# KiCad board Lime_RFE.kicad_pcb (continued)
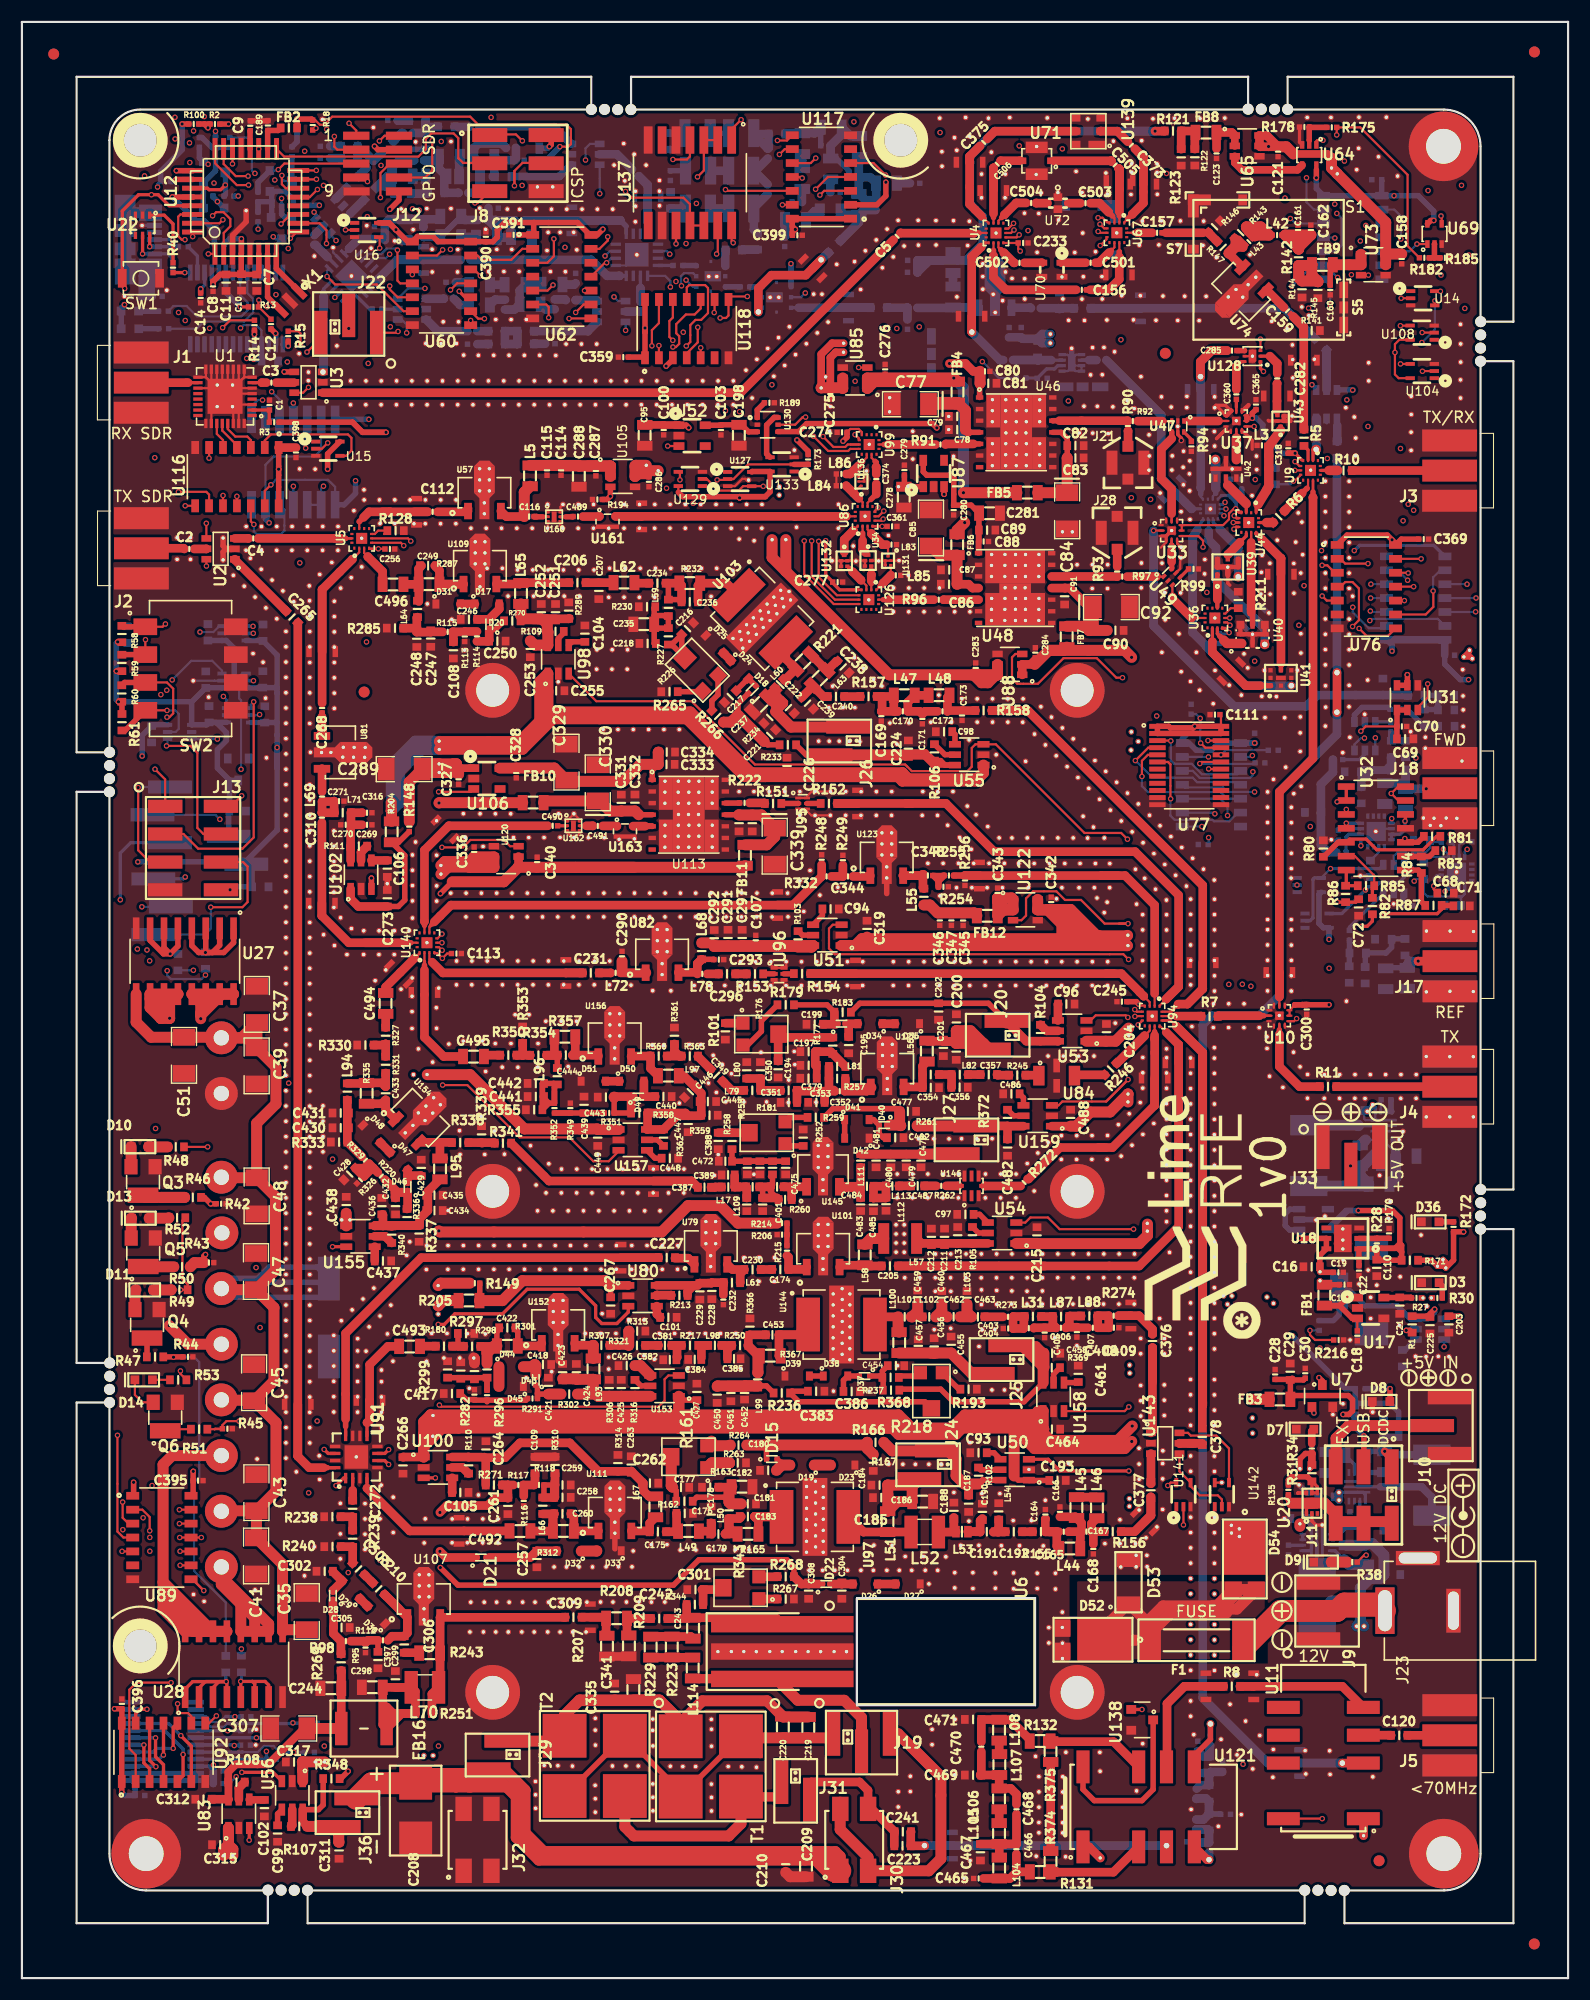
[diagram p0: board, top side]
## Nets (continued)
GND_VIA#1275.1 GND_VIA#1276.1 GND_VIA#1277.1 GND_VIA#1278.1 GND_VIA#1279.1 GND_VIA#1284.1 GND_VIA#1285.1 GND_VIA#1286.1 GND_VIA#1287.1 GND_VIA#1288.1 GND_VIA#1289.1 GND_VIA#1290.1 GND_VIA#1291.1 GND_VIA#1292.1 GND_VIA#1293.1 GND_VIA#1294.1 GND_VIA#1295.1 GND_VIA#1296.1 GND_VIA#1297.1 GND_VIA#1298.1 GND_VIA#1299.1 GND_VIA#1300.1 GND_VIA#1301.1 GND_VIA#1302.1 GND_VIA#1303.1 GND_VIA#1304.1 GND_VIA#1305.1 GND_VIA#1306.1 GND_VIA#1307.1 GND_VIA#1308.1 GND_VIA#1309.1 GND_VIA#1310.1 GND_VIA#1311.1 GND_VIA#1312.1 GND_VIA#1313.1 GND_VIA#1314.1 GND_VIA#1315.1 GND_VIA#1316.1 GND_VIA#1317.1 GND_VIA#1318.1 GND_VIA#1319.1 GND_VIA#1320.1 GND_VIA#1321.1 GND_VIA#1322.1 GND_VIA#1323.1 GND_VIA#1324.1 GND_VIA#1325.1 GND_VIA#1326.1 GND_VIA#1327.1 GND_VIA#1328.1 GND_VIA#1329.1 GND_VIA#1330.1 GND_VIA#1331.1 GND_VIA#1332.1 GND_VIA#1333.1 GND_VIA#1334.1 GND_VIA#1335.1 GND_VIA#1336.1 GND_VIA#1337.1 GND_VIA#1338.1 GND_VIA#1339.1 GND_VIA#1340.1 GND_VIA#1341.1 GND_VIA#1342.1 GND_VIA#1343.1 GND_VIA#1344.1 GND_VIA#1345.1 GND_VIA#1346.1 GND_VIA#1347.1 GND_VIA#1348.1 GND_VIA#1349.1 GND_VIA#1350.1 GND_VIA#1351.1 GND_VIA#1352.1 GND_VIA#1353.1 GND_VIA#1354.1 GND_VIA#1355.1 GND_VIA#1356.1 GND_VIA#1357.1 GND_VIA#1358.1 GND_VIA#1359.1 GND_VIA#1360.1 GND_VIA#1361.1 GND_VIA#1362.1 GND_VIA#1363.1 GND_VIA#1364.1 GND_VIA#1365.1 GND_VIA#1373.1 GND_VIA#1390.1 GND_VIA#1391.1 GND_VIA#1392.1 GND_VIA#1393.1 GND_VIA#1394.1 GND_VIA#1395.1 GND_VIA#1396.1 GND_VIA#1397.1 GND_VIA#1398.1 GND_VIA#1399.1 GND_VIA#1400.1 GND_VIA#1401.1 GND_VIA#1402.1 GND_VIA#1403.1 GND_VIA#1404.1 GND_VIA#1405.1 GND_VIA#1408.1 GND_VIA#1409.1 GND_VIA#1410.1 GND_VIA#1411.1 GND_VIA#1412.1 GND_VIA#1413.1 GND_VIA#1414.1 GND_VIA#1415.1 GND_VIA#1416.1 GND_VIA#1417.1 GND_VIA#1418.1 GND_VIA#1419.1 GND_VIA#1420.1 GND_VIA#1423.1 GND_VIA#1424.1 GND_VIA#1429.1 GND_VIA#1430.1 GND_VIA#1431.1 GND_VIA#1432.1 GND_VIA#1433.1 GND_VIA#1434.1 GND_VIA#1435.1 GND_VIA#1436.1 GND_VIA#1437.1 GND_VIA#1438.1 GND_VIA#1439.1 GND_VIA#1440.1 GND_VIA#1441.1 GND_VIA#1442.1 GND_VIA#1443.1 GND_VIA#1444.1 GND_VIA#1445.1 GND_VIA#1446.1 GND_VIA#1447.1 GND_VIA#1448.1 GND_VIA#1449.1 GND_VIA#1450.1 GND_VIA#1451.1 GND_VIA#1452.1 GND_VIA#1453.1 GND_VIA#1454.1 GND_VIA#1455.1 GND_VIA#1456.1 GND_VIA#1457.1 GND_VIA#1458.1 GND_VIA#1461.1 GND_VIA#1462.1 GND_VIA#1463.1 GND_VIA#1464.1 GND_VIA#1465.1 GND_VIA#1466.1 GND_VIA#1467.1 GND_VIA#1468.1 GND_VIA#1469.1 GND_VIA#1470.1 GND_VIA#1471.1 GND_VIA#1472.1 GND_VIA#1473.1 GND_VIA#1474.1 GND_VIA#1475.1 GND_VIA#1476.1 GND_VIA#1477.1 GND_VIA#1478.1 GND_VIA#1479.1 GND_VIA#1480.1 GND_VIA#1481.1 GND_VIA#1482.1 GND_VIA#1483.1 GND_VIA#1484.1 GND_VIA#1485.1 GND_VIA#1486.1 GND_VIA#1487.1 GND_VIA#1488.1 GND_VIA#1489.1 GND_VIA#1490.1 GND_VIA#1491.1 GND_VIA#1492.1 GND_VIA#1493.1 GND_VIA#1494.1 GND_VIA#1495.1 GND_VIA#1496.1 GND_VIA#1497.1 GND_VIA#1498.1 GND_VIA#1499.1 GND_VIA#1500.1 GND_VIA#1501.1 GND_VIA#1502.1 GND_VIA#1503.1 GND_VIA#1504.1 GND_VIA#1505.1 GND_VIA#1506.1 GND_VIA#1507.1 GND_VIA#1508.1 GND_VIA#1509.1 GND_VIA#1510.1 GND_VIA#1511.1 GND_VIA#1512.1 GND_VIA#1513.1 GND_VIA#1514.1 GND_VIA#1515.1 GND_VIA#1516.1 GND_VIA#1517.1 GND_VIA#1518.1 GND_VIA#1519.1 GND_VIA#1520.1 GND_VIA#1521.1 GND_VIA#1522.1 GND_VIA#1523.1 GND_VIA#1524.1 GND_VIA#1525.1 GND_VIA#1526.1 GND_VIA#1527.1 GND_VIA#1528.1 GND_VIA#1529.1 GND_VIA#1530.1 GND_VIA#1531.1 GND_VIA#1532.1 GND_VIA#1533.1 GND_VIA#1534.1 GND_VIA#1535.1 GND_VIA#1536.1 GND_VIA#1537.1 GND_VIA#1538.1 GND_VIA#1539.1 GND_VIA#1540.1 GND_VIA#1541.1 GND_VIA#1542.1 GND_VIA#1543.1 GND_VIA#1544.1 GND_VIA#1545.1 GND_VIA#1546.1 GND_VIA#1547.1 GND_VIA#1548.1 GND_VIA#1549.1 GND_VIA#1550.1 GND_VIA#1551.1 GND_VIA#1552.1 GND_VIA#1553.1 GND_VIA#1554.1 GND_VIA#1555.1 GND_VIA#1556.1 GND_VIA#1557.1 GND_VIA#1558.1 GND_VIA#1559.1 GND_VIA#1560.1 GND_VIA#1561.1 GND_VIA#1562.1 GND_VIA#1563.1 GND_VIA#1564.1 GND_VIA#1565.1 GND_VIA#1566.1 GND_VIA#1567.1 GND_VIA#1568.1 GND_VIA#1569.1 GND_VIA#1570.1 GND_VIA#1571.1 GND_VIA#1572.1 GND_VIA#1573.1 GND_VIA#1574.1 GND_VIA#1575.1 GND_VIA#1576.1 GND_VIA#1577.1 GND_VIA#1578.1 GND_VIA#1579.1 GND_VIA#1580.1 GND_VIA#1581.1 GND_VIA#1582.1 GND_VIA#1583.1 GND_VIA#1584.1 GND_VIA#1585.1 GND_VIA#1586.1 GND_VIA#1587.1 GND_VIA#1588.1 GND_VIA#1589.1 GND_VIA#1590.1 GND_VIA#1591.1 GND_VIA#1592.1 GND_VIA#1593.1 GND_VIA#1594.1 GND_VIA#1595.1 GND_VIA#1596.1 GND_VIA#1597.1 GND_VIA#1598.1 GND_VIA#1599.1 GND_VIA#1600.1 GND_VIA#1601.1 GND_VIA#1602.1 GND_VIA#1603.1 GND_VIA#1604.1 GND_VIA#1605.1 GND_VIA#1606.1 GND_VIA#1607.1 GND_VIA#1608.1 GND_VIA#1609.1 GND_VIA#1610.1 GND_VIA#1611.1 GND_VIA#1612.1 GND_VIA#1613.1 GND_VIA#1614.1 GND_VIA#1615.1 GND_VIA#1616.1 GND_VIA#1617.1 GND_VIA#1618.1 GND_VIA#1619.1 GND_VIA#1620.1 GND_VIA#1621.1 GND_VIA#1622.1 GND_VIA#1623.1 GND_VIA#1624.1 GND_VIA#1625.1 GND_VIA#1626.1 GND_VIA#1627.1 GND_VIA#1628.1 GND_VIA#1629.1 GND_VIA#1630.1 GND_VIA#1631.1 GND_VIA#1632.1 GND_VIA#1633.1 GND_VIA#1634.1 GND_VIA#1635.1 GND_VIA#1636.1 GND_VIA#1637.1 GND_VIA#1638.1 GND_VIA#1639.1 GND_VIA#1640.1 GND_VIA#1641.1 GND_VIA#1642.1 GND_VIA#1643.1 GND_VIA#1644.1 GND_VIA#1645.1 GND_VIA#1646.1 GND_VIA#1647.1 GND_VIA#1648.1 GND_VIA#1649.1 GND_VIA#1650.1 GND_VIA#1651.1 GND_VIA#1652.1 GND_VIA#1653.1 GND_VIA#1654.1 GND_VIA#1655.1 GND_VIA#1656.1 GND_VIA#1657.1 GND_VIA#1658.1 GND_VIA#1659.1 GND_VIA#1663.1 GND_VIA#1664.1 GND_VIA#1665.1 GND_VIA#1666.1 GND_VIA#1667.1 GND_VIA#1668.1 GND_VIA#1669.1 GND_VIA#1670.1 GND_VIA#1671.1 GND_VIA#1672.1 GND_VIA#1673.1 GND_VIA#1674.1 GND_VIA#1675.1 GND_VIA#1676.1 GND_VIA#1677.1 GND_VIA#1678.1 GND_VIA#1679.1 GND_VIA#1680.1 GND_VIA#1681.1 GND_VIA#1682.1 GND_VIA#1683.1 GND_VIA#1684.1 GND_VIA#1685.1 GND_VIA#1686.1 GND_VIA#1687.1 GND_VIA#1688.1 GND_VIA#1689.1 GND_VIA#1690.1 GND_VIA#1691.1 GND_VIA#1692.1 GND_VIA#1693.1 GND_VIA#1694.1 GND_VIA#1695.1 GND_VIA#1696.1 GND_VIA#1697.1 GND_VIA#1698.1 GND_VIA#1699.1 GND_VIA#1700.1 GND_VIA#1701.1 GND_VIA#1702.1 GND_VIA#1703.1 GND_VIA#1704.1 GND_VIA#1705.1 GND_VIA#1706.1 GND_VIA#1707.1 GND_VIA#1708.1 GND_VIA#1709.1 GND_VIA#1710.1 GND_VIA#1711.1 GND_VIA#1712.1 GND_VIA#1713.1 GND_VIA#1714.1 GND_VIA#1715.1 GND_VIA#1716.1 GND_VIA#1717.1 GND_VIA#1718.1 GND_VIA#1719.1 GND_VIA#1720.1 GND_VIA#1721.1 GND_VIA#1722.1 GND_VIA#1723.1 GND_VIA#1724.1 GND_VIA#1725.1 GND_VIA#1726.1 GND_VIA#1727.1 GND_VIA#1728.1 GND_VIA#1729.1 GND_VIA#1730.1 GND_VIA#1731.1 GND_VIA#1732.1 GND_VIA#1733.1 GND_VIA#1734.1 GND_VIA#1735.1 GND_VIA#1736.1 GND_VIA#1737.1 GND_VIA#1738.1 GND_VIA#1739.1 GND_VIA#1740.1 GND_VIA#1741.1 GND_VIA#1742.1 GND_VIA#1743.1 GND_VIA#1744.1 GND_VIA#1745.1 GND_VIA#1746.1 GND_VIA#1747.1 GND_VIA#1748.1 GND_VIA#1749.1 GND_VIA#1750.1 GND_VIA#1751.1 GND_VIA#1752.1 GND_VIA#1753.1 GND_VIA#1754.1 GND_VIA#1755.1 GND_VIA#1756.1 GND_VIA#1757.1 GND_VIA#1758.1 GND_VIA#1759.1 GND_VIA#1760.1 GND_VIA#1761.1 GND_VIA#1762.1 GND_VIA#1763.1 GND_VIA#1764.1 GND_VIA#1765.1 GND_VIA#1766.1 GND_VIA#1767.1 GND_VIA#1768.1 GND_VIA#1769.1 GND_VIA#1770.1 GND_VIA#1771.1 GND_VIA#1772.1 GND_VIA#1773.1 GND_VIA#1774.1 GND_VIA#1775.1 GND_VIA#1776.1 GND_VIA#1777.1 GND_VIA#1778.1 GND_VIA#1779.1 GND_VIA#1780.1 GND_VIA#1781.1 GND_VIA#1782.1 GND_VIA#1783.1 GND_VIA#1784.1 GND_VIA#1785.1 GND_VIA#1786.1 GND_VIA#1787.1 GND_VIA#1788.1 GND_VIA#1789.1 GND_VIA#1790.1 GND_VIA#1791.1 GND_VIA#1792.1 GND_VIA#1793.1 GND_VIA#1794.1 GND_VIA#1795.1 GND_VIA#1796.1 GND_VIA#1797.1 GND_VIA#1798.1 GND_VIA#1799.1 GND_VIA#1800.1 GND_VIA#1801.1 GND_VIA#1802.1 GND_VIA#1803.1 GND_VIA#1804.1 GND_VIA#1805.1 GND_VIA#1806.1 GND_VIA#1807.1 GND_VIA#1808.1 GND_VIA#1809.1 GND_VIA#1810.1 GND_VIA#1811.1 GND_VIA#1812.1 GND_VIA#1813.1 GND_VIA#1814.1 GND_VIA#1815.1 GND_VIA#1816.1 GND_VIA#1817.1 GND_VIA#1818.1 GND_VIA#1819.1 GND_VIA#1820.1 GND_VIA#1821.1 GND_VIA#1822.1 GND_VIA#1823.1 GND_VIA#1824.1 GND_VIA#1825.1 GND_VIA#1826.1 GND_VIA#1827.1 GND_VIA#1828.1 GND_VIA#1829.1 GND_VIA#1830.1 GND_VIA#1831.1 GND_VIA#1832.1 GND_VIA#1833.1 GND_VIA#1834.1 GND_VIA#1835.1 GND_VIA#1836.1 GND_VIA#1837.1 GND_VIA#1838.1 GND_VIA#1839.1 GND_VIA#1840.1 GND_VIA#1841.1 GND_VIA#1842.1 GND_VIA#1843.1 GND_VIA#1844.1 GND_VIA#1845.1 GND_VIA#1846.1 GND_VIA#1847.1 GND_VIA#1848.1 GND_VIA#1849.1 GND_VIA#1850.1 GND_VIA#1851.1 GND_VIA#1852.1 GND_VIA#1853.1 GND_VIA#1854.1 GND_VIA#1855.1 GND_VIA#1856.1 GND_VIA#1857.1 GND_VIA#1858.1 GND_VIA#1859.1 GND_VIA#1860.1 GND_VIA#1861.1 GND_VIA#1862.1 GND_VIA#1863.1 GND_VIA#1864.1 GND_VIA#1865.1 GND_VIA#1866.1 GND_VIA#1867.1 GND_VIA#1868.1 GND_VIA#1869.1 GND_VIA#1870.1 GND_VIA#1871.1 GND_VIA#1872.1 GND_VIA#1873.1 GND_VIA#1874.1 GND_VIA#1875.1 GND_VIA#1876.1 GND_VIA#1877.1 GND_VIA#1878.1 GND_VIA#1879.1 GND_VIA#1880.1 GND_VIA#1881.1 GND_VIA#1882.1 GND_VIA#1883.1 GND_VIA#1884.1 GND_VIA#1885.1 GND_VIA#1886.1 GND_VIA#1887.1 GND_VIA#1888.1 GND_VIA#1889.1 GND_VIA#1890.1 GND_VIA#1891.1 GND_VIA#1892.1 GND_VIA#1893.1 GND_VIA#1894.1 GND_VIA#1895.1 GND_VIA#1896.1 GND_VIA#1897.1 GND_VIA#1898.1 GND_VIA#1899.1 GND_VIA#1900.1 GND_VIA#1901.1 GND_VIA#1902.1 GND_VIA#1903.1 GND_VIA#1904.1 GND_VIA#1905.1 GND_VIA#1906.1 GND_VIA#1907.1 GND_VIA#1908.1 GND_VIA#1909.1 GND_VIA#1910.1 GND_VIA#1911.1 GND_VIA#1912.1 GND_VIA#1913.1 GND_VIA#1914.1 GND_VIA#1915.1 GND_VIA#1916.1 GND_VIA#1917.1 GND_VIA#1918.1 GND_VIA#1919.1 GND_VIA#1920.1 GND_VIA#1921.1 GND_VIA#1922.1 GND_VIA#1923.1 GND_VIA#1924.1 GND_VIA#1925.1 GND_VIA#1926.1 GND_VIA#1927.1 GND_VIA#1928.1 GND_VIA#1929.1 GND_VIA#1930.1 GND_VIA#1931.1 GND_VIA#1932.1 GND_VIA#1933.1 GND_VIA#1934.1 GND_VIA#1935.1 GND_VIA#1936.1 GND_VIA#1937.1 GND_VIA#1938.1 GND_VIA#1939.1 GND_VIA#1940.1 GND_VIA#1941.1 GND_VIA#1942.1 GND_VIA#1943.1 GND_VIA#1944.1 GND_VIA#1945.1 GND_VIA#1946.1 GND_VIA#1947.1 GND_VIA#1948.1 GND_VIA#1949.1 GND_VIA#1950.1 GND_VIA#1951.1 GND_VIA#1952.1 GND_VIA#1953.1 GND_VIA#1954.1 GND_VIA#1955.1 GND_VIA#1956.1 GND_VIA#1957.1 GND_VIA#1958.1 GND_VIA#1959.1 GND_VIA#1960.1 GND_VIA#1961.1 GND_VIA#1962.1 GND_VIA#1963.1 GND_VIA#1964.1 GND_VIA#1965.1 GND_VIA#1966.1 GND_VIA#1967.1 GND_VIA#1968.1 GND_VIA#1969.1 GND_VIA#1970.1 GND_VIA#1971.1 GND_VIA#1972.1 GND_VIA#1973.1 GND_VIA#1974.1 GND_VIA#1975.1 GND_VIA#1976.1 GND_VIA#1977.1 GND_VIA#1978.1 GND_VIA#1979.1 GND_VIA#1980.1 GND_VIA#1981.1 GND_VIA#1982.1 GND_VIA#1983.1 GND_VIA#1984.1 GND_VIA#1985.1 GND_VIA#1986.1 GND_VIA#1987.1 GND_VIA#1988.1 GND_VIA#1989.1 GND_VIA#1990.1 GND_VIA#1991.1 GND_VIA#1992.1 GND_VIA#1993.1 GND_VIA#1994.1 GND_VIA#1995.1 GND_VIA#1996.1 GND_VIA#1997.1 GND_VIA#1998.1 GND_VIA#1999.1 GND_VIA#2000.1 GND_VIA#2001.1 GND_VIA#2002.1 GND_VIA#2003.1 GND_VIA#2004.1 GND_VIA#2005.1 GND_VIA#2006.1 GND_VIA#2007.1 GND_VIA#2008.1 GND_VIA#2009.1 GND_VIA#2010.1 GND_VIA#2011.1 GND_VIA#2016.1 GND_VIA#2017.1 GND_VIA#2018.1 GND_VIA#2019.1 GND_VIA#2020.1 GND_VIA#2021.1 GND_VIA#2022.1 GND_VIA#2023.1 GND_VIA#2024.1 GND_VIA#2025.1 GND_VIA#2026.1 GND_VIA#2027.1 GND_VIA#2028.1 GND_VIA#2029.1 GND_VIA#2030.1 GND_VIA#2031.1 GND_VIA#2032.1 GND_VIA#2033.1 GND_VIA#2034.1 GND_VIA#2035.1 GND_VIA#2036.1 GND_VIA#2037.1 GND_VIA#2038.1 GND_VIA#2039.1 GND_VIA#2040.1 GND_VIA#2041.1 GND_VIA#2042.1 GND_VIA#2043.1 GND_VIA#2044.1 GND_VIA#2045.1 GND_VIA#2046.1 GND_VIA#2047.1 GND_VIA#2048.1 GND_VIA#2049.1 GND_VIA#2050.1 GND_VIA#2051.1 GND_VIA#2052.1 GND_VIA#2053.1 GND_VIA#2054.1 GND_VIA#2055.1 GND_VIA#2056.1 GND_VIA#2057.1 GND_VIA#2058.1 GND_VIA#2059.1 GND_VIA#2060.1 GND_VIA#2061.1 GND_VIA#2062.1 GND_VIA#2063.1 GND_VIA#2064.1 GND_VIA#2065.1 GND_VIA#2066.1 GND_VIA#2067.1 GND_VIA#2068.1 GND_VIA#2069.1 GND_VIA#2070.1 GND_VIA#2071.1 GND_VIA#2072.1 GND_VIA#2073.1 GND_VIA#2074.1 GND_VIA#2075.1 GND_VIA#2076.1 GND_VIA#2077.1 GND_VIA#2078.1 GND_VIA#2079.1 GND_VIA#2080.1 GND_VIA#2081.1 GND_VIA#2082.1 GND_VIA#2083.1 GND_VIA#2084.1 GND_VIA#2085.1 GND_VIA#2086.1 GND_VIA#2087.1 GND_VIA#2088.1 GND_VIA#2089.1 GND_VIA#2090.1 GND_VIA#2091.1 GND_VIA#2092.1 GND_VIA#2093.1 GND_VIA#2094.1 GND_VIA#2095.1 GND_VIA#2096.1 GND_VIA#2097.1 GND_VIA#2098.1 GND_VIA#2099.1 GND_VIA#2100.1 GND_VIA#2101.1 GND_VIA#2102.1 GND_VIA#2103.1 GND_VIA#2104.1 GND_VIA#2105.1 GND_VIA#2106.1 GND_VIA#2107.1 GND_VIA#2108.1 GND_VIA#2109.1 GND_VIA#2110.1 GND_VIA#2111.1 GND_VIA#2112.1 GND_VIA#2113.1 GND_VIA#2114.1 GND_VIA#2115.1 GND_VIA#2116.1 GND_VIA#2117.1 GND_VIA#2118.1 GND_VIA#2119.1 GND_VIA#2120.1 GND_VIA#2121.1 GND_VIA#2122.1 GND_VIA#2123.1 GND_VIA#2124.1 GND_VIA#2125.1 GND_VIA#2126.1 GND_VIA#2127.1 GND_VIA#2128.1 GND_VIA#2129.1 GND_VIA#2130.1 GND_VIA#2131.1 GND_VIA#2132.1 GND_VIA#2133.1 GND_VIA#2134.1 GND_VIA#2135.1 GND_VIA#2136.1 GND_VIA#2137.1 GND_VIA#2138.1 GND_VIA#2139.1 GND_VIA#2140.1 GND_VIA#2141.1 GND_VIA#2142.1 GND_VIA#2143.1 GND_VIA#2144.1 GND_VIA#2145.1 GND_VIA#2146.1 GND_VIA#2147.1 GND_VIA#2148.1 GND_VIA#2149.1 GND_VIA#2150.1 GND_VIA#2151.1 GND_VIA#2152.1 GND_VIA#2153.1 GND_VIA#2154.1 GND_VIA#2155.1 GND_VIA#2156.1 GND_VIA#2157.1 GND_VIA#2158.1 GND_VIA#2159.1 GND_VIA#2160.1 GND_VIA#2161.1 GND_VIA#2162.1 GND_VIA#2163.1 GND_VIA#2164.1 GND_VIA#2165.1 GND_VIA#2166.1 GND_VIA#2167.1 GND_VIA#2168.1 GND_VIA#2169.1 GND_VIA#2170.1 GND_VIA#2171.1 GND_VIA#2172.1 GND_VIA#2173.1 GND_VIA#2174.1 GND_VIA#2175.1 GND_VIA#2176.1 GND_VIA#2177.1 GND_VIA#2178.1 GND_VIA#2179.1 GND_VIA#2180.1 GND_VIA#2181.1 GND_VIA#2182.1 GND_VIA#2183.1 GND_VIA#2184.1 GND_VIA#2185.1 GND_VIA#2186.1 GND_VIA#2187.1 GND_VIA#2188.1 GND_VIA#2189.1 GND_VIA#2190.1 GND_VIA#2191.1 GND_VIA#2192.1 GND_VIA#2193.1 GND_VIA#2194.1 GND_VIA#2195.1 GND_VIA#2196.1 GND_VIA#2197.1 H1.1 IC1.10 IC2.10 J1.2 J1.3 J1.4 J1.5 J2.2 J2.3 J2.4 J2.5 J3.2 J3.3 J3.4 J3.5 J4.2 J4.3 J4.4 J4.5 J5.2 J5.3 J5.4 J5.5 J8.6 J9.1 J9.3 J10.1 J10.3 J12.9 J13.4 J15.1 J17.2 J17.3 J17.4 J17.5 J18.2 J18.3 J18.4 J18.5 J21.2 J21.3 J21.4 J23.2 J28.2 J28.3 J28.4 J32.1 J32.2 J32.3 J32.4 J33.1 J33.3 L3.2 L37.2 L41.2 L54.2 L80.2 L83.1 L84.1 L85.1 L86.1 L103.2 L109.2 L112.1 LimeNET-Micro.1 Mounting Pad.1 Mounting Pad#2.1 Mounting Pad#3.1 P1.1 P1.4 P1.5 P2.1 P2.3 P5.1 P5.3 P6.1 P6.3 P7.1 P7.3 P8.1 P8.3 P9.1 P9.3 P14.1 P14.3 P15.1 P15.3 P17.1 P17.3 P18.1 P18.3 P24.1 P24.3 P27.1 P27.3 P28.1 P28.3 P30.1 P30.3 P31.1 P31.3 P32.1 P32.3 P33.1 P33.3 P34.1 P34.3 P35.1 P35.3 P40.1 P40.3 P41.1 P41.3 P43.1 P43.3 P44.1 P44.3 P45.1 P45.3 P50.1 P50.3 P56.1 P56.3 P57.1 P57.3 P59.1 P59.3 P64.1 P64.3 P67.1 P67.3 P69.1 P69.3 P74.1 P74.3 P79.1 P79.3 P88.1 P88.3 P90.1 P90.3 P94.1 P94.3 P95.1 P95.3 P96.1 P96.3 P99.1 P99.3 P100.1 P100.3 P104.1 P104.3 P105.1 P105.3 P106.1 P106.3 P108.1 P108.3 P109.1 P109.3 P110.1 P110.3 P112.1 P112.3 Q3.2 Q4.2 Q5.2 Q6.2 R9.2 R26.1 R33.1 R41.2 R42.1 R43.1 R44.1 R45.1 R62.2 R63.2 R64.2 R65.2 R66.2 R70.2 R71.2 R72.2 R76.2 R77.2 R79.1 R80.1 R83.1 R88.1 R94.2 R95.2 R99.2 R101.1 R113.1 R116.1 R120.1 R122.1 R123.1 R124.1 R128.1 R129.1 R133.1 R140.2 R141.2 R144.1 R145.1 R146.1 R159.1 R160.1 R163.1 R164.1 R167.2 R169.1 R170.1 R174.1 R178.2 R181.1 R185.2 R189.2 R193.2 R194.1 R195.1 R196.1 R197.1 R198.1 R199.1 R206.2 R207.1 R209.1 R211.1 R216.1 R230.1 R234.1 R238.1 R240.1 R248.2 R249.2 R252.1 R254.2 R256.2 R263.1 R265.1 R267.1 R282.1 R285.1 R289.2 R297.1 R299.2 R306.1 R310.2 R313.1 R314.1 R326.1 R330.1 R333.2 R337.1 R339.1 R349.1 R353.1 R355.2 R359.1 R361.1 R366.1 S2.1 S3.1 S5.1 S6.1 S7.1 SW1.1 SW2.5 SW2.6 SW2.7 SW2.8 U1.3 U1.5 U1.6 U1.8 U1.9 U1.10 U1.11 U1.12 U1.13 U1.14 U1.15 U1.16 U1.17 U1.19 U1.25 U1.26 U1.30 U1.31 U1.32 U1.33 U2.2 U3.2 U4.15 U5.15 U6.2 U7.3 U8.2 U9.15 U10.1 U10.3 U10.4 U10.6 U10.10 U10.12 U12.3 U12.5 U12.21 U13.7 U13.18 U13.21 U13.25 U13.26 U14.3 U15.3 U16.3 U17.2 U17.4 U18.3 U18.7 U19.3 U19.4 U19.10 U19.11 U20.2 U20.6 U21.3 U21.4 U21.10 U21.11 U22.2 U23.2 U24.2 U25.2 U26.2 U27.8 U28.8 U29.2 U30.2 U31.4 U32.11 U33.1 U33.3 U33.4 U33.6 U33.10 U33.12 U34.2 U34.3 U34.5 U35.15 U36.15 U37.1 U37.3 U37.4 U37.6 U37.10 U37.12 U38.2 U39.2 U39.4 U39.5 U39.7 U39.8 U40.2 U40.4 U40.5 U40.7 U40.8 U41.2 U41.4 U41.5 U41.7 U41.8 U42.2 U42.4 U42.5 U42.7 U42.8 U43.2 U43.3 U43.5 U44.15 U45.1 U45.3 U45.4 U45.5 U45.8 U45.9 U46.2 U46.3 U46.6 U46.8 U46.9 U46.10 U46.13 U46.14 U46.15 U47.2 U47.5 U48.2 U48.3 U48.6 U48.8 U48.9 U48.10 U48.13 U48.14 U48.15 U49.2 U49.5 U50.2 U51.2 U52.2 U53.2 U54.2 U55.2 U56.2 U57.2 U58.3 U58.5 U58.8 U58.10 U58.11 U58.13 U58.15 U59.3 U59.5 U59.8 U59.10 U59.11 U59.13 U59.15 U60.7 U61.2 U62.7 U63.2 U64.3 U65.4 U66.2 U66.4 U67.15 U68.7 U69.3 U70.3 U70.4 U71.3 U71.4 U72.1 U72.3 U73.4 U74.2 U74.4 U75.7 U76.7 U77.11 U77.12 U77.13 U78.11 U78.12 U78.13 U79.2 U80.2 U81.2 U82.2 U83.2 U84.2 U84.4 U85.4 U86.15 U87.2 U88.4 U89.7 U90.3 U90.4 U90.10 U90.11 U91.3 U91.5 U91.8 U91.10 U91.11 U91.13 U91.15 U92.7 U93.2 U94.15 U95.1 U95.3 U95.4 U95.6 U96.1 U96.3 U96.4 U96.6 U97.3 U98.2 U99.15 U100.2 U101.2 U102.2 U103.3 U104.3 U105.4 U106.2 U107.2 U108.3 U109.2 U110.2 U111.2 U112.2 U112.4 U113.2 U113.3 U113.6 U113.8 U113.9 U113.10 U113.13 U113.14 U113.15 U114.3 U115.7 U116.7 U117.7 U118.7 U119.7 U120.4 U122.4 U123.2 U123.4 U124.2 U125.3 U126.15 U127.3 U128.5 U129.3 U130.2 U131.2 U131.3 U131.5 U132.2 U132.3 U132.5 U133.3 U134.2 U135.2 U136.2 U136.3 U136.5 U137.5 U137.7 U137.9 U138.3 U139.1 U139.3 U139.4 U139.6 U140.15 U141.3 U142.3 U143.2 U144.3 U145.2 U146.1 U146.3 U146.5 U146.7 U152.2 U153.2 U154.2 U155.2 U156.2 U157.2 U158.2 U159.2 U160.1 U160.3 U160.4 U160.6 U160.7 U161.3 U162.1 U162.3 U162.4 U162.6 U162.7 U163.3 X1.2
VDD_I2C: C33.1 C36.1 C40.1 C44.1 C49.1 D12.3 J12.10 J14.2 R24.1 R58.2 R59.2 R60.2 R61.2 R192.1 U23.1 U24.1 U25.1 U26.1
VDDA: C34.1 C38.1 C42.1 C46.1 C50.1 J13.5 J14.1 R48.2 R49.2 R52.2 R53.2 U23.6 U24.6 U25.6 U26.6
/30MHz_RELAY_CTR: U7.2 U12.25
/30MHz_RX: C313.1 P41.2 TRANS_VIA#15.1 TRANS_VIA#16.1 TRANS_VIA#17.1 U11.3
/30MHz_TX: P40.2 R8.1 U11.5
/ATTEN0: U1.29 U116.3
/ATTEN1: U1.28 U116.4
/ATTEN2: U1.27 U116.5
/BAND38_TX_ENn: R4.1 R100.1 R173.2 U127.2 U133.2
/Cell/BAND38_RX: C285.2 P67.2 TRANS_VIA#5.1 U35.1
